# Allegro board T736_DEMO_CORE_AXP8191_LP4_4X_32X1_V0_5-draft.brd (continued)
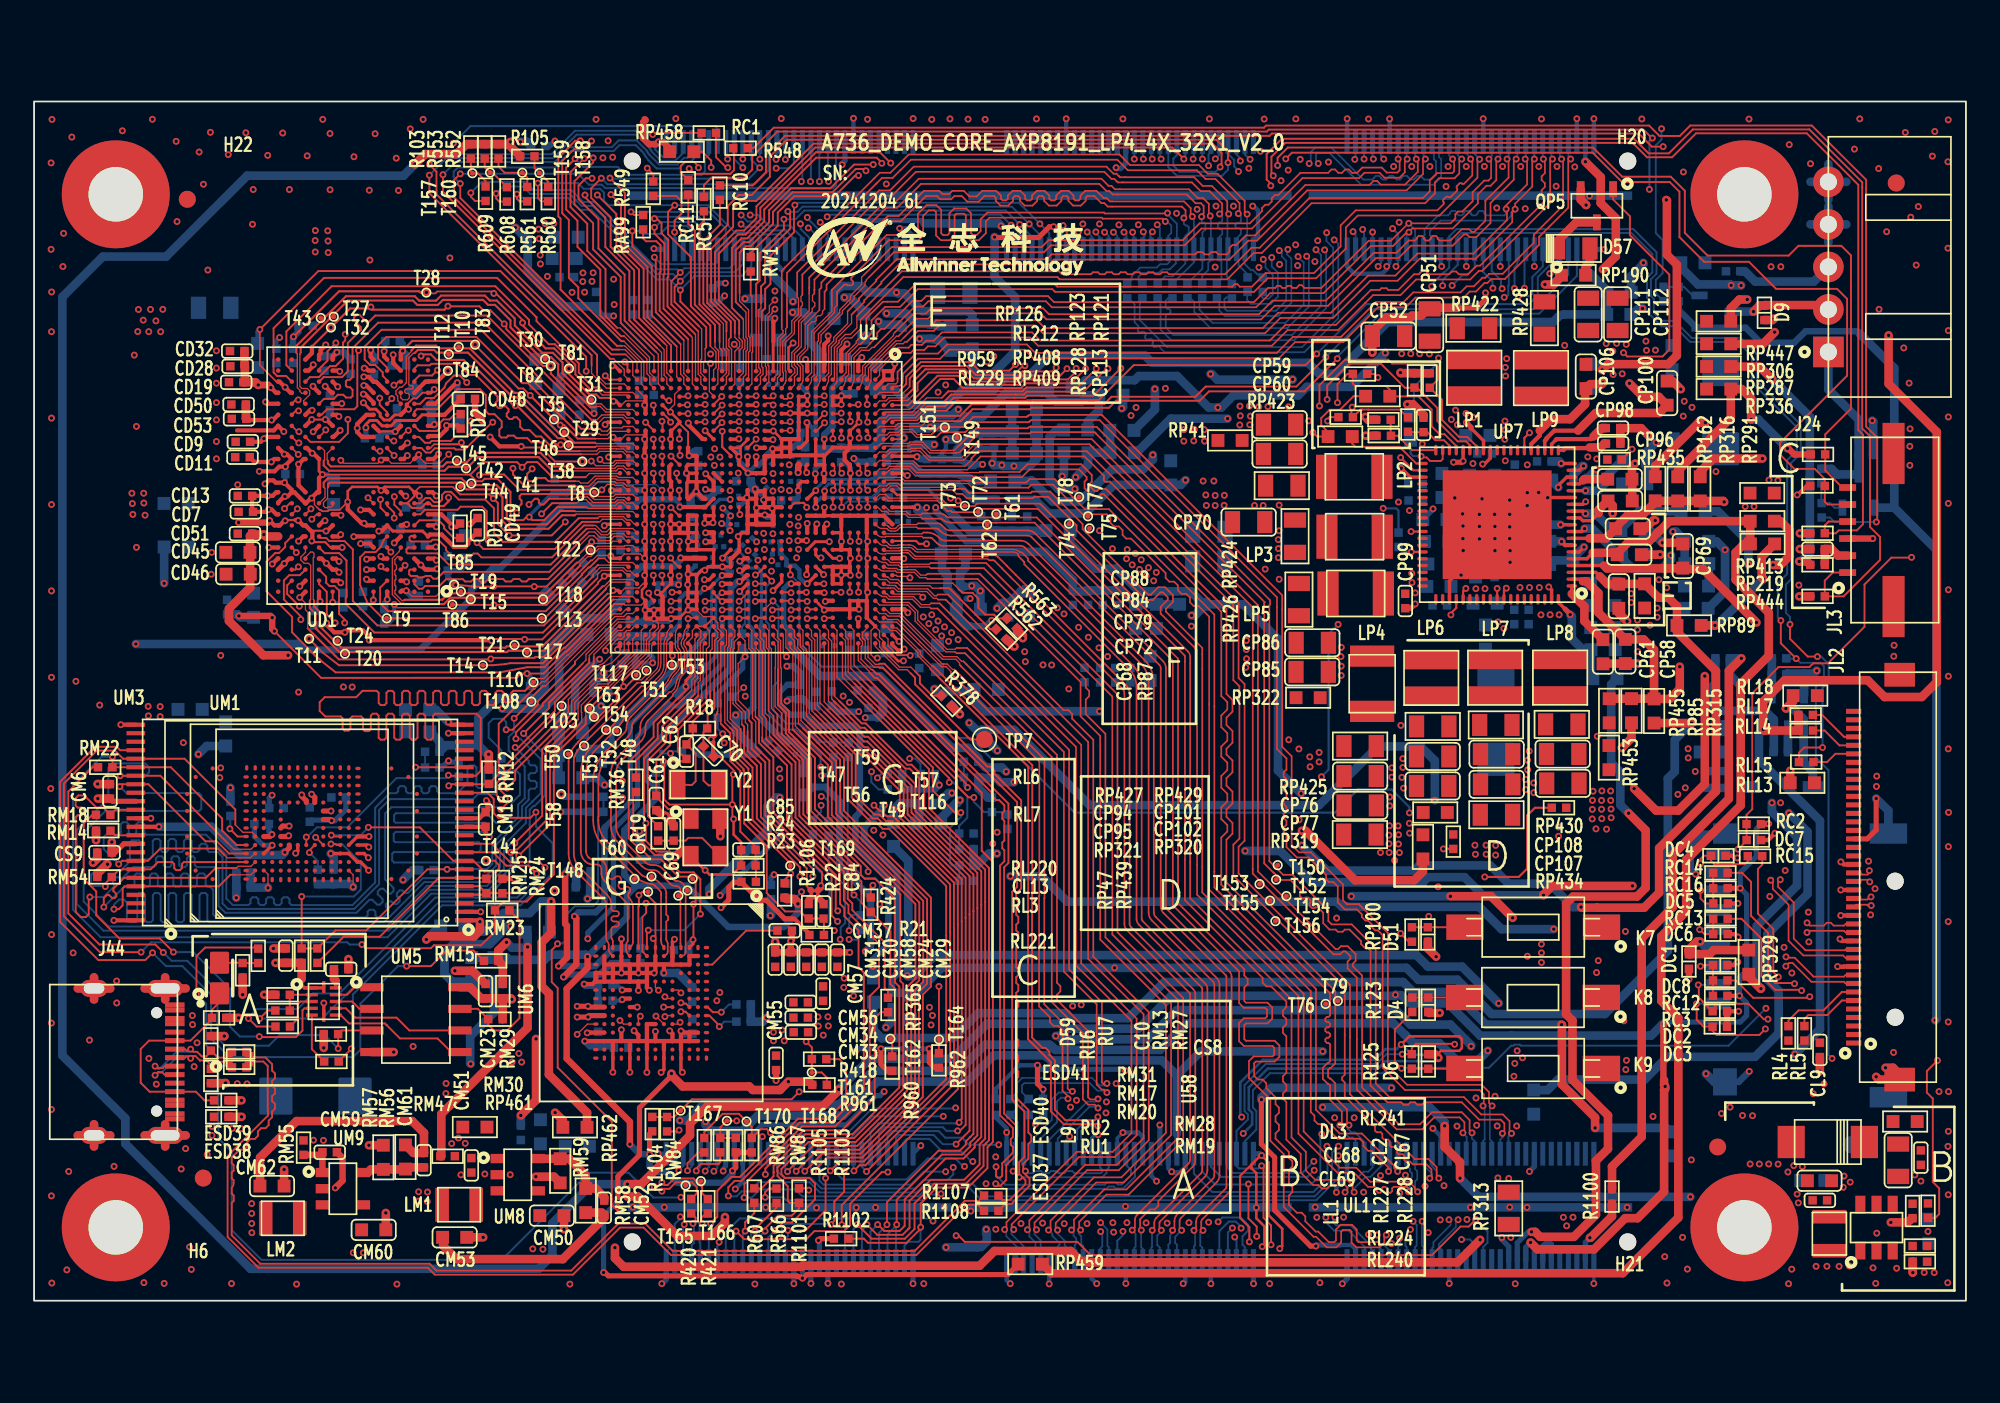
[diagram p0: board, top side]
## Routing (per net, layer and track width the routed paths; a pad name or vN(x,y) marks a point on that pad's centre or on a via; arc(x,y) is an arc through that point) (continued)
  BOTTOM w0.114: v1(28.76,33.35) 30.02,32.09 30.02,29.7 29.4,29.08 29.33,29.08 29.12,28.87 29.12,27.98 29.12,27.98 29.12,25.74 28.86,25.49 28.86,24.63 28.38,24.15 v1(28.28,24.15)
NRBX: length 12
  TOP w0.114: RM25.1 26.52,24.86 UM3.6 23.78,24.86 20.31,21.4 18.19,21.4 RM27.1
NRE: length 53
  TOP w0.114: UM1.W6 17.55,27.29 17.47,27.37 v1(17.46,27.37) ; T141.1 v1(26.55,25.86) 26.56,25.87 27.05,25.87 27.31,25.62 27.31,25.36 27.17,25.23 26.45,25.23 25.82,25.86 UM3.8 24.63,25.86 22.67,27.83 v1(19.64,27.83)
  BOTTOM w0.114: v1(17.46,27.37) 19.18,27.37 v1(19.64,27.83) ; RM1.2 27.59,31.16 28.33,31.16 28.55,30.94 28.55,29.74 28.06,29.26 28.06,28.57 27.58,28.08 27.15,28.08 26.58,28.66 21.26,28.66 21.15,28.55 21.15,28.19 21.24,28.1 26.5,28.1 26.61,27.99 26.61,27.74 26.43,27.56 21.25,27.56 21.13,27.44 21.13,27.04 21.21,26.96 26.12,26.96 26.24,26.84 26.24,26.49 26.12,26.38 21.14,26.38 21.04,26.27 21.04,25.87 21.16,25.76 26.45,25.76 v1(26.55,25.86)
NWE: length 72.7
  TOP w0.076: U1.AN29 34.07,40.65 31.37,37.95 31.32,37.95 29.95,36.58 29.56,36.58 T110.1
  TOP w0.114: T110.1 29.07,36.09 29.07,36.08 28.84,35.85 28.16,35.85 28.05,35.74 28.05,35.28 27.93,35.17 27.7,35.17 27.59,35.28 27.59,35.74 27.48,35.85 27.22,35.85 27.11,35.74 27.11,35.13 26.99,35.02 26.76,35.02 26.65,35.13 26.65,35.74 26.53,35.85 26.31,35.85 26.19,35.74 26.19,35.13 26.08,35.02 25.85,35.02 25.73,35.13 25.73,35.74 25.62,35.85 25.39,35.85 25.28,35.74 25.28,35.13 25.16,35.02 24.93,35.02 24.82,35.13 24.82,35.74 24.71,35.85 24.48,35.85 24.36,35.74 24.36,35.13 24.25,35.02 24.02,35.02 23.9,35.13 23.9,35.74 23.79,35.85 23.56,35.85 23.45,35.74 23.45,35.13 23.33,35.02 23.1,35.02 22.99,35.13 22.99,35.74 22.88,35.85 22.65,35.85 22.53,35.74 22.53,35.13 22.42,35.02 22.19,35.02 22.08,35.13 22.08,35.74 21.96,35.85 21.73,35.85 21.62,35.74 21.62,35.13 21.5,35.02 21.28,35.02 21.16,35.13 21.16,35.74 21.05,35.85 20.82,35.85 20.7,35.74 20.7,35.13 20.59,35.02 20.36,35.02 20.25,35.13 20.25,35.74 20.13,35.85 19.3,35.85 18.93,35.48 17.08,35.48 16.78,35.19 16.78,34.68 17.11,34.35 18.02,34.35 18.13,34.24 18.13,33.63 18.25,33.51 18.47,33.51 18.59,33.63 18.59,34.24 18.7,34.35 19.21,34.35 19.33,34.24 19.33,33.6 19.44,33.49 19.67,33.49 19.79,33.6 19.79,34.4 19.9,34.51 20.13,34.51 20.24,34.4 20.24,33.1 20.36,32.99 20.59,32.99 20.7,33.1 20.7,34.4 20.81,34.51 21.04,34.51 21.16,34.4 21.16,33.1 21.27,32.99 21.5,32.99 21.61,33.1 21.61,34.4 21.73,34.51 21.96,34.51 22.07,34.4 22.07,33.1 22.19,32.99 22.41,32.99 22.53,33.1 22.53,34.4 22.64,34.51 22.87,34.51 22.99,34.4 22.99,33.1 23.1,32.99 23.33,32.99 23.44,33.1 23.44,34.4 23.56,34.51 25.99,34.51 26.25,34.26 26.25,31.15 25.95,30.86 UM3.18 24.37,30.86 v1(24.34,30.89) ; v1(15.99,27.26) UM1.R5
  BOTTOM w0.114: RM11.1 24.42,30.81 v1(24.34,30.89) 24.17,30.72 21.3,30.72 18.4,27.83 16.62,27.83 16.05,27.26 v1(15.99,27.26)
NWP: length 4.4
  TOP w0.114: UM3.19 v1(22.41,31.36)
  BOTTOM w0.114: RM16.1 CM21.1 22.43,31.35 v1(22.41,31.36)
PANEL0-12V: length 6.5
  TOP w0.508: v1(102.92,34.81) 103.35,35.24 RL18.1
  BOTTOM w0.508: v1(102.92,34.81) 103.33,34.81 103.96,34.18 103.96,31.65 104.51,31.1 DL1.2
PB0: length 28.6
  TOP w0.076: U1.AB2 39.92,54.72 40.06,54.86 40.06,55.77 40.04,55.8 40.04,55.81 39.73,56.12 39.73,56.14
  TOP w0.114: v1(37.64,64.4) 37.25,64.01 37.25,62.69 38.59,61.35 38.59,58.47 39.73,57.33 39.73,56.14 ; v1(29.6,65.7) 29.61,65.69 29.61,64.81 29.8,64.63 R560.2
  BOTTOM w0.114: J47.157 42.64,62.58 42.44,62.78 41.21,62.78 39.58,64.4 v1(37.64,64.4) 33.75,64.4 33.49,64.67 33.49,65.14 33.26,65.37 32.28,65.37 31.95,65.7 v1(29.6,65.7)
PB1: length 24.3
  TOP w0.076: 39.49,56.03 39.42,55.97 39.42,55.25 39.34,55.16 39.34,54.74 U1.AC1
  TOP w0.114: R561.2 28.53,64.63 28.37,64.79 v1(28.37,65.05) ; v1(37.97,59.42) 37.97,58.74 39.49,57.23 39.49,56.03
  BOTTOM w0.114: v1(28.37,65.05) 28.59,64.83 31.38,64.83 32.08,64.13 32.73,64.13 34.3,62.56 34.3,62.33 36.59,60.04 37.35,60.04 v1(37.97,59.42) 38.79,60.24 41.56,60.24 42.14,60.82 J47.159
PB2: length 26.1
  TOP w0.076: 39.06,57.29 39.22,57.13 39.22,55.35 39.17,55.3 39.17,54.54 39.42,54.28 U1.AC2
  TOP w0.114: v1(37.97,59.93) 37.63,59.6 37.63,58.72 39.06,57.29 ; v1(27.15,65.09) 27.15,64.8 27.33,64.62 R608.2
  BOTTOM w0.114: J47.161 41.64,60.94 41.17,60.47 38.5,60.47 v1(37.97,59.93) 37.55,60.35 36.6,60.35 34.53,62.42 34.53,62.65 32.83,64.36 32.17,64.36 31.47,65.06 29.16,65.06 28.71,65.51 27.56,65.51 v1(27.15,65.09)
PB3: length 28.2
  TOP w0.076: U1.AC3 39.17,53.9 39.17,54.31 39.02,54.47 39.02,56.99
  TOP w0.114: 39.02,56.99 37.44,58.57 37.44,59.93 v1(37.96,60.45) ; R609.2 25.91,64.65 25.66,64.9 v1(25.66,65.13)
  BOTTOM w0.114: v1(25.66,65.13) 26.31,65.78 28.84,65.78 29.33,65.29 31.57,65.29 32.27,64.59 32.92,64.59 34.78,62.73 34.78,62.5 36.64,60.63 37.78,60.63 v1(37.96,60.45) 38.21,60.7 40.86,60.7 41.14,60.97 J47.163
PB4: length 8
  TOP w0.114: RA99.1 35.26,63.83 v1(35.07,64.01)
  BOTTOM w0.114: J47.165 40.64,63.02 39.65,64.01 v1(35.07,64.01)
PB5: length 12.7
  TOP w0.076: U1.AE2 38.42,54.25 38.17,54.5 38.17,56.47
  TOP w0.114: 38.17,56.47 36.53,58.11 36.53,61.26 v1(36.44,61.34)
  BOTTOM w0.114: v1(36.44,61.34) 36.85,60.94 40.03,60.94 40.14,61.05 J47.167
PB6: length 15.4
  TOP w0.076: U1.AD2 38.86,54.21 38.86,56.8 38.81,56.85
  TOP w0.114: v1(36.44,63.62) 36.59,63.62 36.86,63.34 36.86,62.75 37.26,62.35 37.26,60.19 37.21,60.14 37.21,58.45 38.81,56.85
  BOTTOM w0.114: v1(36.44,63.62) 36.55,63.72 39.06,63.72 39.64,63.14 J47.169
PB7: length 14.8
  TOP w0.076: U1.AD3 38.67,53.9 38.67,56.63 38.57,56.73
  TOP w0.114: v1(36.45,63.1) 36.45,62.74 37.04,62.15 37.04,60.36 36.98,60.31 36.98,58.32 38.57,56.73
  BOTTOM w0.114: v1(36.45,63.1) 36.48,63.1 36.79,63.41 38.82,63.41 39.14,63.1 J47.171
PB8: length 15.6
  TOP w0.076: 37.99,56.24 37.99,54.48 38.17,54.29 38.17,53.9 U1.AE3
  TOP w0.114: 37.99,56.24 36.29,57.93 36.29,60.84 35.15,61.98 v1(35.15,62.89)
  BOTTOM w0.114: v1(35.15,62.89) 35.56,62.89 35.75,62.71 36.78,62.71 37.26,63.19 38.35,63.19 38.64,62.9 J47.173
PB9: length 22.1
  TOP w0.114: v1(38.49,66.55) 38.53,66.55 38.83,66.25 40.91,66.25 41.12,66.46 41.12,67.72 R548.2 ; U1.AD5 39.38,52.65 v1(39.42,52.69)
  L4 w0.076: 38.87,53.88 38.99,53.75 38.99,53.12 v1(39.42,52.69)
  L4 w0.114: 38.87,53.88 38.81,53.94 38.81,55.22 37.18,56.84 37.18,63.06 37.38,63.26 37.7,63.26 38.14,62.82 v1(38.14,62.82) 38.49,63.17 v1(38.49,66.55)
  BOTTOM w0.114: v1(38.14,62.82) J47.175
PB10: length 15.8
  TOP w0.114: U1.AD4 39.37,53.15 v1(39.42,53.2) ; R549.2 37.73,64.95 38.04,64.64 38.04,63.9 37.63,63.5 v1(37.63,62.82)
  L4 w0.076: 39.08,53.95 39.2,53.83 39.2,53.42 v1(39.42,53.2)
  L4 w0.102: 37.84,56.5 38.99,55.35 38.99,54.04 39.08,53.95
  L4 w0.114: v1(37.63,62.82) 37.47,62.66 37.47,56.88 37.72,56.63 37.72,56.62 37.84,56.5
  BOTTOM w0.114: J47.177 37.64,62.81 v1(37.63,62.82)
PCIE-REXT: length 12.9
  TOP w0.114: v1(48.44,41.65) 48.44,41.67 48.42,41.69 U1.E26
  L4 w0.076: 48.72,39.85 48.72,39.9 48.78,39.97 48.78,41.31 v1(48.44,41.65)
  L4 w0.114: v1(49.55,30.74) 49.56,30.74 49.8,30.97 49.8,35.87 48.67,37 48.67,39.8 48.72,39.85
  BOTTOM w0.114: v1(49.55,30.74) 49.77,30.96 R377.2
PD20: length 111.7
  TOP w0.076: 42.75,57.62 42.75,54.92 42.83,54.84 42.83,54.47 42.67,54.32 42.67,53.9 U1.U3
  TOP w0.114: JL3.1 105.68,42.81 105.21,42.34 RL221.1 106.31,41.41 108.45,43.55 108.45,44.9 107.86,45.49 107.86,50.82 107.4,51.28 107.4,65.46 107.4,65.75 104.3,68.86 97.46,68.86 96.05,67.45 94.85,67.45 94,68.31 73.31,68.31 72.41,67.41 72.41,65.91 72.66,65.67 v1(72.66,65.55) ; 42.75,57.62 42.75,58.14 42.95,58.35 42.95,59.47 43.26,59.78 43.26,61.43 44.65,62.81 44.65,63.88 44.65,63.88 44.65,64.36 v1(44.7,64.41)
  L3 w0.114: v1(59.09,63.31) 60.5,64.71 71.83,64.71 v1(72.66,65.55)
  BOTTOM w0.114: J47.109 59.64,62.76 v1(59.09,63.31) 57.85,64.54 44.87,64.54 44.74,64.41 v1(44.7,64.41)
PD21: length 105.5
  TOP w0.076: U1.U2 42.42,54.3 42.67,54.54 42.67,54.75 42.58,54.85 42.58,58.24 42.71,58.37 42.71,58.63
  TOP w0.114: 42.71,58.63 42.71,59.63 42.95,59.87 42.95,61.56 44.42,63.02 44.42,63.9 v1(44.29,64.03) ; v1(72.8,66.13) 72.7,66.24 72.7,67.25 73.51,68.07 93.92,68.07 94.76,67.22 96.24,67.22 97.64,68.63 104.15,68.63 107.18,65.6 107.18,51.19 107.45,50.91 107.45,45.65 107.09,45.29 106.03,45.29 105.86,45.12 RL220.1 105.21,45.58 105.43,45.81 JL3.4
  L3 w0.114: v1(58.47,63.3) 60.11,64.95 71.42,64.95 72.61,66.13 v1(72.8,66.13)
  BOTTOM w0.114: v1(44.29,64.03) 44.31,64.01 44.84,64.01 45.15,64.32 57.45,64.32 v1(58.47,63.3) 59.14,62.63 J47.111
PD22: length 96.3
  TOP w0.076: U1.U1 42.42,58.36
  TOP w0.114: v1(44.06,63.58) 44.06,63 42.63,61.58 42.63,59.98 42.42,59.77 42.42,58.36 ; JL3.6 106.24,47.81 105.23,48.81 RL6.1 105.23,50.93 106.74,52.44 106.74,61.45 106.18,62.01 103.66,62.01 103.09,61.44 98.32,61.44 96.98,62.78 96.98,65.25 96.15,66.08 93.3,66.08 91.59,67.79 73.66,67.79 73.06,67.19 v1(73.06,66.74)
  L3 w0.114: v1(73.06,66.74) 72.7,66.74 71.14,65.18 59.77,65.18 57.91,63.32 v1(57.91,63.27)
  BOTTOM w0.114: J47.113 58.64,62.53 57.91,63.26 v1(57.91,63.27) 57.09,64.09 45.25,64.09 44.74,63.58 v1(44.06,63.58)
PD23: length 101
  TOP w0.114: v1(42.42,53.2) 42.37,53.15 U1.V4 ; JL3.5 105.37,46.81 105.21,46.97 RL7.1 105.21,48.31 104.62,48.9 103.42,48.9 102.58,49.74 102.58,50.44 106.52,54.38 106.52,58.9 105.93,59.48 102.35,59.48 100.76,61.08 98.12,61.08 96.67,62.53 96.67,65.19 96.1,65.76 93.29,65.76 91.57,67.49 73.9,67.49 v1(73.54,67.13)
  L3 w0.114: v1(73.54,67.13) 72.62,67.13 70.93,65.43 59.55,65.43 57.4,63.28 v1(57.4,63.23)
  L4 w0.114: v1(42.42,53.2) 42.42,57.59 41.41,58.61 41.41,59.05 41.46,59.11 41.46,60.85 43.27,62.66 46.17,62.66 46.62,63.11 46.62,63.7 v1(46.6,63.72)
  BOTTOM w0.114: v1(46.6,63.72) 46.63,63.72 46.76,63.85 56.78,63.85 v1(57.4,63.23) 58.14,62.49 J47.115
PE0-1: length 46.1
  TOP w0.076: 52.43,51.71 52.13,51.4 50.84,51.4 50.69,51.24 50.02,51.24 U1.B8
  TOP w0.114: v1(76.57,55.38) 74.64,53.46 69.03,53.46 68.48,52.91 63.57,52.91 63.15,52.49 58.59,52.49 58.51,52.41 55.14,52.41 54.43,51.71 52.43,51.71
  BOTTOM w0.114: J47.5 90.64,60.24 88.42,58.02 79.1,58.02 76.57,55.49 v1(76.57,55.38)
PE1-1: length 46
  TOP w0.076: 52.4,52.02 51.96,51.57 50.76,51.57 50.59,51.4 49.67,51.4 U1.C8
  TOP w0.114: 52.4,52.02 54.4,52.02 55.08,52.7 57.43,52.7 57.43,52.7 58.65,52.7 58.67,52.72 62.88,52.72 63.3,53.14 68.23,53.14 68.83,53.74 74.16,53.74 v1(75.9,55.48)
  BOTTOM w0.114: v1(75.9,55.48) 78.71,58.29 88.11,58.29 90.14,60.32 J47.7
PE2-1: length 46.7
  TOP w0.114: U1.D8 49.01,51.06 49.01,50.78 48.98,50.75 v1(48.98,50.73)
  L4 w0.114: v1(48.98,50.73) 49,50.73 49.06,50.79 49.31,50.79 52.5,53.99 53.07,53.99 53.61,54.52 54.76,54.52 56.19,55.95 59.04,55.95 60.26,57.17 62.74,57.17 64.8,59.23 75.93,59.23 76.46,59.76 81.24,59.76 81.76,60.28 82.38,60.28 82.56,60.09 83.49,60.09 83.69,59.89 87.98,59.89 88.48,60.38 v1(89.05,60.38)
  BOTTOM w0.114: v1(89.05,60.38) 89.29,60.38 89.64,60.72 J47.9
PE3-1: length 44
  TOP w0.076: U1.A7 50.53,51.75 51.88,51.75 52.46,52.33
  TOP w0.114: 52.46,52.33 53.61,52.33 54.17,52.89 57.51,52.89 58.31,52.89 58.35,52.93 58.65,52.93 58.67,52.95 62.55,52.95 64.61,55 74.69,55 v1(75.36,55.67)
  BOTTOM w0.114: J47.11 89.14,60.98 88.69,60.53 88.69,60.52 88.35,60.18 88.35,59.11 87.82,58.59 78.28,58.59 v1(75.36,55.67)
PE4-1: length 44.7
  TOP w0.076: U1.B7 50.06,51.65 50.32,51.9 51.78,51.9 52.45,52.58
  TOP w0.114: 52.45,52.58 53.51,52.58 54.02,53.08 57.59,53.08 58.23,53.08 58.35,53.21 62.24,53.21 v1(63.85,54.82)
  L4 w0.114: v1(63.85,54.82) 63.85,55.49 65.75,57.39 76.48,57.39 76.48,57.4 76.72,57.4 77.25,57.93 86.4,57.93 87.19,58.72 87.19,59.05 v1(87.19,59.05)
  BOTTOM w0.114: v1(87.19,59.05) 87.2,59.06 87.89,59.06 88.03,59.2 88.03,60.18 88.46,60.61 88.46,60.62 88.64,60.8 J47.13
PE5-1: length 45.8
  TOP w0.114: U1.E8 48.5,51.07 48.5,50.74 v1(48.47,50.72)
  L4 w0.114: v1(88.14,60.81) 87.51,60.18 83.75,60.18 83.59,60.34 82.65,60.34 82.48,60.51 81.54,60.51 81.04,60.01 76.41,60.01 76.38,59.99 76.36,59.99 75.83,59.46 64.7,59.46 62.67,57.42 60.02,57.42 58.96,56.36 56.27,56.36 54.66,54.75 53.51,54.75 53.03,54.27 52.26,54.27 49.18,51.18 48.66,51.18 48.47,50.99 v1(48.47,50.72)
  BOTTOM w0.114: J47.15 v1(88.14,60.81)
PE6-1: length 45
  TOP w0.076: 52.43,52.81 51.68,52.06 50.2,52.06 50.04,51.9 49.67,51.9 U1.C7
  TOP w0.114: 52.43,52.81 53.42,52.81 53.88,53.27 57.67,53.27 58.15,53.27 58.32,53.44 61.66,53.44 63.01,54.79 v1(63.09,54.79)
  L4 w0.114: v1(87.56,59.52) 87.56,58.69 86.57,57.7 77.4,57.7 76.87,57.17 76.58,57.17 76.57,57.17 65.9,57.17 64.35,55.62 64.35,54.81 64,54.46 63.4,54.46 63.09,54.76 v1(63.09,54.79)
  BOTTOM w0.114: J47.17 87.56,61.73 v1(87.56,59.52)
PE7-1: length 42.8
  TOP w0.076: 53.33,53.08 52.44,53.08 51.6,52.23 50.01,52.23 U1.B6
  TOP w0.114: v1(62.4,54.79) 61.3,53.69 58.3,53.69 58.07,53.46 53.72,53.46 53.33,53.08
  L4 w0.114: v1(86.97,59.51) 86.92,59.51 86.78,59.36 86.78,58.73 86.21,58.16 77.15,58.16 76.62,57.63 70.76,57.63 70.75,57.62 65.56,57.62 63.19,55.25 62.96,55.25 62.5,54.79 v1(62.4,54.79)
  BOTTOM w0.114: J47.19 87.14,60.91 86.97,60.75 v1(86.97,59.51)
PE8-1: length 43.3
  TOP w0.076: 52.2,53.15 51.45,52.4 49.67,52.4 U1.C6
  TOP w0.114: 52.2,53.15 53.24,54.19 54.03,54.19 54.56,53.65 57.99,53.65 58.27,53.94 60.92,53.94 v1(61.78,54.8)
  L4 w0.114: v1(86.37,58.99) 86.37,58.84 86.33,58.8 86.33,58.74 85.98,58.39 77.05,58.39 76.52,57.86 69.37,57.86 69.36,57.85 68.69,57.85 65.43,57.85 63.18,55.6 62.65,55.6 61.85,54.8 v1(61.78,54.8)
  BOTTOM w0.114: J47.21 86.64,59.69 86.61,59.66 86.61,59.12 86.48,58.99 86.37,58.99 v1(86.37,58.99)
PE9-1: length 43.1
  TOP w0.114: v1(48.97,51.65) 48.92,51.7 U1.D6
  L4 w0.114: v1(48.97,51.65) 49.19,51.65 52.06,54.51 52.91,54.51 52.92,54.52 52.95,54.52 53.41,54.98 54.53,54.98 56.14,56.59 58.74,56.59 59.8,57.65 62.57,57.65 64.61,59.68 75.71,59.68 76.26,60.24 80.77,60.24 81.69,61.17 83.21,61.17 83.97,60.4 85.74,60.4 v1(86.14,60.81)
  BOTTOM w0.114: J47.23 v1(86.14,60.81)
PE10-1: length 42
  TOP w0.114: U1.A5 51.35,52.65 53.08,54.38 54.29,54.38 54.82,53.85 57.83,53.85 58.14,54.16 58.66,54.16 58.67,54.16 60.75,54.16 61.22,54.64 v1(61.22,54.81)
  L4 w0.114: v1(86.25,59.5) 86.24,59.5 86.01,59.26 86.01,58.84 85.78,58.62 76.95,58.62 76.42,58.08 65.29,58.08 63.03,55.83 62.29,55.83 61.63,55.16 61.63,55.16 61.41,54.95 61.41,54.95 61.28,54.81 v1(61.22,54.81)
  BOTTOM w0.114: J47.25 85.64,60.53 86.19,59.99 86.19,59.69 86.25,59.62 v1(86.25,59.5)
PE11-1: length 42.2
  TOP w0.076: 51.91,53.51 51.32,52.92 50.32,52.92 50.04,52.65 U1.B5
  TOP w0.114: v1(60.69,54.79) 60.29,54.39 58.1,54.39 57.75,54.04 55.04,54.04 54.51,54.57 52.53,54.57 51.91,53.95 51.91,53.51
  L4 w0.114: v1(60.69,54.79) 62.05,56.16 63.02,56.16 65.18,58.31 76.33,58.31 76.86,58.85 85.57,58.85 85.78,59.06 85.78,59.41 85.71,59.48 v1(85.71,59.52)
  BOTTOM w0.114: v1(85.71,59.52) 85.68,59.55 85.68,59.93 85.14,60.48 J47.27
PE12-1: length 40.3
  TOP w0.076: U1.C5 49.67,52.9 50.05,52.9 50.22,53.07 51.12,53.07 51.26,53.21
  TOP w0.114: v1(60.05,54.86) 59.82,54.63 58.07,54.63 57.67,54.23 55.21,54.23 54.68,54.76 52.36,54.76 51.66,54.06 51.66,53.62 51.26,53.21
  L4 w0.114: v1(60.05,54.86) 60.2,54.86 61.83,56.49 63.03,56.49 65.08,58.54 76.23,58.54 76.76,59.07 82.71,59.07 83.31,59.68 v1(83.31,59.68)
  BOTTOM w0.114: J47.29 84.64,60.75 84.17,60.28 83.91,60.28 v1(83.31,59.68)
PE13-1: length 40.5
  TOP w0.114: U1.D4 48.92,52.71 v1(48.95,52.69)
  L4 w0.114: v1(84.14,60.81) 84.14,60.81 83.56,61.4 78.72,61.4 78.29,60.97 76.02,60.97 75.97,60.93 75.95,60.93 75.39,60.37 64.32,60.37 62.29,58.34 58.88,58.34 57.89,57.35 55.86,57.35 54.18,55.67 53.05,55.67 52.65,55.28 52.65,55.28 52.6,55.23 51.94,55.23 50.73,54.01 50.28,54.01 v1(48.95,52.69)
  BOTTOM w0.114: v1(84.14,60.81) 84.14,60.82 J47.31
PE14-1: length 125.5
  TOP w0.076: 50.88,53.51 50.77,53.4 49.67,53.4 U1.C4
  TOP w0.114: RL228.1 111.7,4.87 111.92,5.09 111.92,6.61 111.55,6.98 111.55,11.89 111.2,12.23 111.2,13.5 v1(111.82,14.12) ; v1(103.53,37.75) 102.62,38.65 v1(102.62,39.99) ; 50.88,53.51 50.88,53.54 51.24,53.9 51.24,54.32 52.1,55.19 55.03,55.19 55.54,54.68 57.3,54.68 v1(57.66,55.04)
  L4 w0.114: v1(111.82,14.12) 111.75,14.19 105.68,14.19 v1(105.63,14.25) ; v1(57.66,55.04) 57.66,55.09 57.99,55.42 59.05,55.42 60.57,56.95 62.84,56.95 64.89,59 76.02,59 76.55,59.53 81.38,59.53 81.89,60.04 82.28,60.04 82.65,59.68 v1(82.75,59.68)
  BOTTOM w0.114: v1(82.75,59.68) 82.75,60.01 83.64,60.9 J47.33 83.64,62.54 83.87,62.77 93.84,62.77 95.08,61.53 95.08,60.46 94.89,60.27 94.76,60.14 94.76,58.97 94.93,58.8 94.93,57.97 95.62,57.28 96.38,57.28 97.3,56.37 100.11,56.37 100.92,55.55 100.92,53.99 103.56,51.35 103.56,49.98 103,49.41 103,42.72 102.44,42.17 102.44,40.17 v1(102.62,39.99) ; RL11.1 102.96,37.75 v1(103.53,37.75) 103.77,37.51 104.95,37.51 105.16,37.29 105.16,36.57 104.68,36.1 104.68,31.93 105.43,31.18 105.43,14.45 v1(105.63,14.25)
PE15-1: length 91
  TOP w0.076: 51.45,53.74 50.93,53.23 50,53.23 U1.B4
  TOP w0.114: v1(105.07,32.52) 103.99,32.52 103.69,32.22 RL15.2 ; v1(104.77,37.87) 104.21,37.87 103.16,38.91 v1(103.16,39.76) ; v1(58.21,54.97) 58.1,54.97 57.55,54.42 55.34,54.42 54.81,54.95 52.17,54.95 51.45,54.22 51.45,53.74
  L4 w0.114: v1(82.11,59.63) 81.78,59.3 76.65,59.3 76.12,58.77 64.99,58.77 62.93,56.72 60.91,56.72 59.2,55.01 58.25,55.01 v1(58.21,54.97)
  BOTTOM w0.114: v1(82.11,59.63) 82.11,59.75 82.81,60.44 82.85,60.44 83.14,60.74 J47.35 83.14,62.57 83.57,63 93.96,63 95.32,61.64 95.32,60.37 94.99,60.04 94.99,59.06 95.16,58.89 95.16,58.07 95.63,57.61 96.38,57.61 97.39,56.59 100.26,56.59 101.22,55.63 101.22,54.08 103.79,51.51 103.79,49.81 103.23,49.25 103.23,42.41 102.92,42.11 102.92,40.44 103.16,40.2 v1(103.16,39.76) ; v1(105.07,32.52) 105.07,36.02 105.44,36.39 105.44,37.43 105,37.87 v1(104.77,37.87)
PG10: length 50.3
  TOP w0.076: U1.AA3 40.67,53.9 40.67,54.31 40.83,54.46 40.83,55.87 40.67,56.03 40.67,57
  TOP w0.114: 40.67,57 40.68,57.01 40.68,57.52 39.55,58.65 39.55,61.85 39.55,62.04 40.76,63.25 40.76,64.35 41.41,65 42.16,65 43.23,66.08 43.23,67.26 44.22,68.25 69.46,68.25 70.15,67.57 v1(70.15,66.91)
  BOTTOM w0.114: J47.82 66.64,66.63 67.14,66.13 69.79,66.13 70.15,66.48 v1(70.15,66.91)
PH0: length 32.9
  TOP w0.114: U1.AG1 37.42,56.16 35.81,57.77 35.81,60.67 34.48,62 34.48,64.44 v1(33.89,65.03)
  L3 w0.114: v1(45.08,65.8) 43.98,65.8 43.42,65.24 34.11,65.24 v1(33.89,65.03)
  L4 w0.114: v1(46.19,63.4) 46.19,64.66 47.04,65.51 47.04,65.95 46.82,66.16 45.45,66.16 v1(45.08,65.8)
  BOTTOM w0.114: J47.148 45.14,65.85 v1(45.08,65.8) ; J47.139 47.18,61.85 47.18,62.51 46.29,63.4 v1(46.19,63.4)
PH1: length 33.6
  TOP w0.076: U1.AG2 37.42,54.3 37.17,54.55 37.17,56.15 37.05,56.27
  TOP w0.114: v1(33.09,65) 34.21,63.88 34.21,61.95 35.54,60.62 35.54,57.77 37.05,56.27
  L3 w0.114: v1(46.14,65.8) 45.72,65.37 43.88,65.37 43.52,65.01 34.41,65.01 34.06,64.66 33.43,64.66 v1(33.09,65)
  L4 w0.114: v1(45.43,63.69) 45.43,65.09 v1(46.14,65.8)
  BOTTOM w0.114: J47.144 v1(46.14,65.8) ; J47.141 46.64,62.66 46.42,62.88 46.18,62.88 45.43,63.64 v1(45.43,63.69)
PH2: length 35
  TOP w0.076: U1.AH2 36.86,54.21 36.86,55.75 36.59,56.02
  TOP w0.114: v1(32.37,65) 32.36,65 32.36,64.88 33.56,63.68 33.56,61.95 34.2,61.31 34.97,60.54 34.97,57.64 36.59,56.02
  L3 w0.114: v1(32.37,65) 32.95,64.42 34.2,64.42 34.57,64.79 43.62,64.79 43.98,65.14 46.02,65.14 v1(46.67,65.8)
  L4 w0.114: v1(45.49,63.07) 45.79,63.37 45.79,64.92 v1(46.67,65.8)
  BOTTOM w0.114: J47.142 46.64,65.84 v1(46.67,65.8) ; v1(45.49,63.07) 45.53,63.07 46.14,62.45 J47.143
PH3: length 35.2
  TOP w0.076: 36.52,55.8 36.67,55.64 36.67,53.9 U1.AH3
  TOP w0.114: v1(32.78,65.99) 32.42,65.99 31.99,65.56 31.99,64.76 33.16,63.59 33.16,61.86 34.7,60.33 34.7,57.62 36.52,55.8
  L3 w0.114: v1(32.78,65.99) 33.26,65.5 43.36,65.5 44.01,66.16 45.25,66.16 v1(45.61,65.8)
  L4 w0.114: v1(45.02,63.31) 45.02,63.34 45.03,63.35 45.03,63.41 45.07,63.45 45.07,65.27 45.59,65.8 v1(45.61,65.8)
  BOTTOM w0.114: J47.145 45.64,62.4 45.04,63.01 45.04,63.25 45.02,63.27 v1(45.02,63.31) ; v1(45.61,65.8) 45.64,65.82 J47.146
PH4: length 31.7
  TOP w0.076: U1.AF2 37.76,54.31 37.76,56.1
  TOP w0.114: 37.76,56.1 36.04,57.81 36.04,60.76 34.71,62.09 34.71,65.12 v1(33.83,66)
  L4 w0.114: v1(42.63,66.6) 42.63,65.75 42.07,65.19 v1(42.07,63.83)
  BOTTOM w0.114: J47.160 42.14,67.08 42.61,66.6 42.63,66.6 v1(42.63,66.6) 41.99,65.96 33.87,65.96 v1(33.83,66) ; J47.147 45.14,62.49 44.42,63.21 43.15,63.21 42.53,63.83 v1(42.07,63.83)
PH5: length 36.4
  TOP w0.114: v1(38.39,52.67) 38.37,52.65 U1.AF5
  L3 w0.114: v1(42.64,67.11) 42.49,67.11 42.27,66.89 42.27,66.54 41.92,66.19 34.81,66.19 34.14,66.86 33.77,66.86 33.44,67.19 v1(33.42,67.19)
  L4 w0.076: v1(38.39,52.67) 38.11,52.95 38.11,53.33 38.18,53.4 38.18,54.61
  L4 w0.114: 38.18,54.61 35.71,57.08 35.71,64.65 33.42,66.93 v1(33.42,67.19) ; v1(41.54,63.82) 41.54,65.05 42.33,65.84 42.33,66.39 42.27,66.45 42.27,66.75 42.63,67.11 v1(42.64,67.11)
  BOTTOM w0.114: J47.149 44.64,62.45 44.17,62.92 43.03,62.92 42.52,63.44 41.93,63.44 v1(41.54,63.82) ; v1(42.64,67.11) J47.158
PH6: length 39.1
  TOP w0.114: U1.AF6 v1(38.42,52.15)
  L3 w0.114: v1(43.59,67.1) 43.59,67.16 42.82,67.94 39.99,67.94 39.77,67.73 36.53,67.73 35.77,68.49 35.39,68.49 35.39,68.49 34.45,68.49 34.15,68.19 v1(33.73,68.19)
  L4 w0.076: v1(38.42,52.15) 38.76,52.48 38.76,53.46
  L4 w0.114: v1(41.54,63.29) 42.05,63.29 42.44,63.68 42.44,65.09 43.04,65.7 43.04,66.54 v1(43.59,67.1) ; 38.76,53.46 38.62,53.6 38.62,54.93 36.83,56.72 36.83,64.18 34.34,66.66 34.34,67.08 34.36,67.14 34.36,67.56 v1(33.73,68.19)
  BOTTOM w0.114: v1(43.59,67.1) 43.64,67.14 J47.154 ; J47.151 44.14,62.43 43.88,62.69 42.87,62.69 42.42,63.14 41.69,63.14 v1(41.54,63.29)
PH7: length 26.5
  TOP w0.076: 36.77,56.17 37.01,55.93 37.01,54.41 37.17,54.25 37.17,53.9 U1.AG3
  TOP w0.114: 36.77,56.17 35.26,57.68 35.26,60.58 33.88,61.96 33.88,63.69 32.73,64.84 32.73,65.39 v1(33.33,65.99)
  BOTTOM w0.114: v1(33.33,65.99) 33.68,65.64 42.33,65.64 43.14,66.44 J47.156
PH8: length 38.9
  TOP w0.114: U1.AH4 37.16,52.91 v1(37.3,52.91)
  L4 w0.114: v1(37.3,52.91) 37.3,53.78 33.33,57.75 33.33,61.47 30.39,64.41 29.87,64.41 26.22,68.05 v1(24.63,68.05)
  BOTTOM w0.114: J47.168 40.14,68.92 40,69.05 25.64,69.05 v1(24.63,68.05)
PH9: length 24.8
  TOP w0.114: U1.AF4 38.37,53.15 v1(38.42,53.2)
  L3 w0.114: v1(40.75,67.12) 40.64,67.12 40.56,67.04 36.25,67.04 35.48,67.8 34.74,67.8 34.16,67.22 v1(33.99,67.22)
  L4 w0.114: v1(38.42,53.2) 38.42,54.8 36.03,57.19 36.03,64.65 33.99,66.69 v1(33.99,67.22)
  BOTTOM w0.114: v1(40.75,67.12) 40.75,67.13 40.64,67.24 J47.166
PH10: length 29.7
  TOP w0.076: 34.26,57.19 34.43,57.19 36.16,55.46 36.16,54.56 36.42,54.3 U1.AJ2
  TOP w0.114: 34.26,57.19 33.57,57.88 33.57,60.65 32.5,61.72 32.5,63.31 31.52,64.3 31.52,66.35 v1(32.32,67.15)
  L3 w0.114: v1(44.14,67.08) 44.14,66.61 43.27,65.73 34.62,65.73 33.99,66.36 33.1,66.36 v1(32.32,67.15)
  BOTTOM w0.114: v1(44.14,67.08) J47.152
PH11: length 28.9
  TOP w0.076: U1.AJ1 36.42,55.53 35.94,56.01
  TOP w0.114: 35.94,56.01 34.47,57.48 34.47,60.19 32.84,61.81 32.84,63.35 31.75,64.45 31.75,65.81 32.85,66.92 v1(32.85,67.19)
  L3 w0.114: v1(32.85,67.19) 33.41,66.63 34.05,66.63 34.72,65.96 42.98,65.96 v1(43.6,66.58)
  BOTTOM w0.114: J47.150 44.64,66.86 44.35,66.58 v1(43.6,66.58)
PH12: length 42.2
  TOP w0.076: U1.AL2 35.17,54.4 35.17,55.21 34.75,55.63
  TOP w0.114: v1(25.04,66.25) 24.68,65.88 24.68,64.87 33.92,55.63 34.75,55.63
  BOTTOM w0.114: v1(25.04,66.25) 31.96,66.25 32.6,65.61 33.36,65.61 33.56,65.41 46.94,65.41 47.11,65.57 47.11,68.09 J47.140
PH13: length 30
  TOP w0.076: U1.AK2 35.83,54.24 35.83,55.23 34.65,56.41
  TOP w0.114: v1(32.75,68.18) 32.27,67.69 31.72,67.69 31.03,67 31.03,63.93 31.42,63.54 31.42,60.13 31.97,59.58 31.97,58.94 34.5,56.41 34.65,56.41
  L3 w0.114: v1(32.75,68.18) 33.1,67.83 34.12,67.83 34.55,68.26 35.48,68.26 35.67,68.26 36.44,67.5 39.93,67.5 40.15,67.71 41.59,67.71 42.01,67.29 42.01,66.83 41.79,66.61 v1(41.64,66.61)
  BOTTOM w0.114: J47.164 41.14,67.1 41.64,66.61 v1(41.64,66.61)
PH14: length 29.2
  TOP w0.076: 34.52,56.14 34.71,56.14 35.67,55.17 35.67,53.9 U1.AK3
  TOP w0.114: 34.52,56.14 34.24,56.14 30.93,59.45 30.93,63.61 30.8,63.75 30.8,67.2 31.79,68.19 v1(32.09,68.19)
  L3 w0.114: v1(41.64,67.12) 41.28,67.48 40.28,67.48 40.06,67.27 36.34,67.27 35.58,68.03 34.64,68.03 34.21,67.6 32.68,67.6 v1(32.09,68.19)
  BOTTOM w0.114: J47.162 v1(41.64,67.12)
PH15: length 25.9
  TOP w0.076: U1.AJ3 36.17,53.9 36.17,54.33 36.01,54.5 36.01,55.37 34.67,56.71
  TOP w0.114: 34.67,56.71 34.48,56.71 33.27,57.91 33.27,60.61 31.93,61.95 31.93,63.49 31.26,64.15 31.26,66.61 v1(31.78,67.14)
  BOTTOM w0.114: v1(31.78,67.14) 32.27,66.65 34.3,66.65 34.76,66.19 39.22,66.19 39.41,66.38 39.41,67.13 39.64,67.36 J47.170
PH16: length 33.4
  TOP w0.076: U1.AL1 35.42,55.2 34.71,55.91 34.37,55.91
  TOP w0.114: v1(25.04,65.68) 25.04,64.83 33.96,55.91 34.37,55.91
  BOTTOM w0.114: J47.172 39.14,68.12 39.14,67.53 38.57,66.96 38.29,66.96 37.89,66.56 36.58,66.56 36.08,67.06 35.96,67.24 35.9,67.3 35.87,67.38 35.78,67.51 35.66,67.62 35.65,67.63 35.35,67.93 34.39,67.93 34.04,67.59 31.56,67.59 30.6,66.62 24.9,66.62 24.65,66.37 24.65,66.06 v1(25.04,65.68)
PH17: length 33.7
  TOP w0.076: U1.AM2 34.67,54.4 34.67,54.75 34.05,55.37 34.04,55.37
  TOP w0.114: 34.04,55.37 33.85,55.37 24.02,65.2 v1(24.02,66.2)
  BOTTOM w0.114: J47.174 38.64,67.47 38.36,67.19 38.19,67.19 37.8,66.79 36.73,66.79 36.54,66.99 36.14,67.38 36.11,67.41 36.11,67.43 36.03,67.54 35.97,67.64 35.97,67.64 35.95,67.66 35.81,67.8 35.81,67.8 35.4,68.21 34.35,68.21 33.95,67.82 31.47,67.82 30.6,66.95 24.77,66.95 v1(24.02,66.2)
PH18: length 35
  TOP w0.076: 32.76,54.99 32.76,54.51 33.62,53.65 U1.AN3
  TOP w0.114: 32.76,54.99 32.76,55.58 23.22,65.12 v1(23.22,66.17)
  BOTTOM w0.114: v1(23.22,66.17) 24.23,67.17 30.5,67.17 31.88,68.55 35.38,68.55 35.91,68.03 36.13,67.81 36.14,67.8 36.2,67.74 36.2,67.71 36.3,67.56 36.31,67.53 36.7,67.15 36.77,67.08 36.82,67.02 37.68,67.02 38.14,67.48 J47.176
PH19: length 35.4
  TOP w0.076: 33.08,54.56 33.08,54.41 33.59,53.9 34.67,53.9 U1.AM3
  TOP w0.114: 33.08,54.56 33.08,55.61 23.64,65.04 23.64,66.37 v1(23.22,66.79)
  BOTTOM w0.114: J47.178 37.64,67.37 37.52,67.25 36.92,67.25 36.86,67.31 36.5,67.67 36.5,67.76 36.35,67.9 36.35,67.9 36.3,67.96 36.29,67.96 36.11,68.15 36,68.26 35.48,68.78 35.29,68.78 31.78,68.78 30.41,67.4 23.84,67.4 v1(23.22,66.79)
PI0: length 51.7
  TOP w0.114: U1.P28 44.44,41.15 v1(44.47,41.11)
  L4 w0.076: 45.42,38.73 44.7,39.44 44.7,39.72 44.79,39.81 44.79,40.82 44.5,41.11 v1(44.47,41.11)
  L4 w0.114: 45.42,38.73 45.42,35.26 47.56,33.12 47.56,27.08 47.59,27.05 47.59,26.92 48.46,26.05 53.61,26.05 56.36,23.29 56.36,13.55 v1(54.14,11.34)
  BOTTOM w0.114: v1(54.14,11.34) 54.13,11.34 54.09,11.3 49.24,11.3 47.72,9.78 43.69,9.78 43.14,9.24 J48.25
PI1: length 56.1
  TOP w0.114: v1(44.47,41.62) 44.45,41.65 U1.P27
  L4 w0.076: v1(44.47,41.62) 44.95,41.14 44.95,39.55
  L4 w0.114: v1(54,7.84) 54,8.07 54.81,8.88 54.81,11.5 56.66,13.34 56.66,23.59 53.97,26.28 48.68,26.28 47.79,27.17 47.79,33.22 45.65,35.35 45.65,38.85 44.95,39.55
  BOTTOM w0.114: J48.27 43.64,7.64 44.09,7.2 45.47,7.2 45.66,7.2 46.26,6.59 51.77,6.59 52.27,7.1 53.68,7.1 54,7.42 v1(54,7.84)
PI2: length 40
  TOP w0.076: 45,33.5 44.73,33.78 44.73,38.06 44.72,38.08 44.72,38.09 44.43,38.38 44.42,38.38 U1.N33
  TOP w0.114: 45,33.5 46.87,31.64 46.87,28.55 52.01,23.41 52.01,18.84 51.53,18.36 51.53,12.26 48.37,9.1 45.75,9.1 44.27,7.62 v1(44.27,7.59)
  BOTTOM w0.114: J48.29 44.14,7.77 44.27,7.64 v1(44.27,7.59)
PI3: length 40.4
  TOP w0.076: U1.N32 44.42,39.04 44.67,38.79 44.67,38.35 44.91,38.12 44.91,33.93 45.18,33.66
  TOP w0.114: 45.18,33.66 47.12,31.71 47.12,28.62 52.24,23.51 52.24,18.74 51.76,18.26 51.76,12.17 48.46,8.87 48.27,8.87 46.03,8.87 44.78,7.62 v1(44.78,7.61)
  BOTTOM w0.114: J48.31 44.64,7.77 44.78,7.64 v1(44.78,7.61)
